# KiCad board Backplane_v2.kicad_pcb (continued)
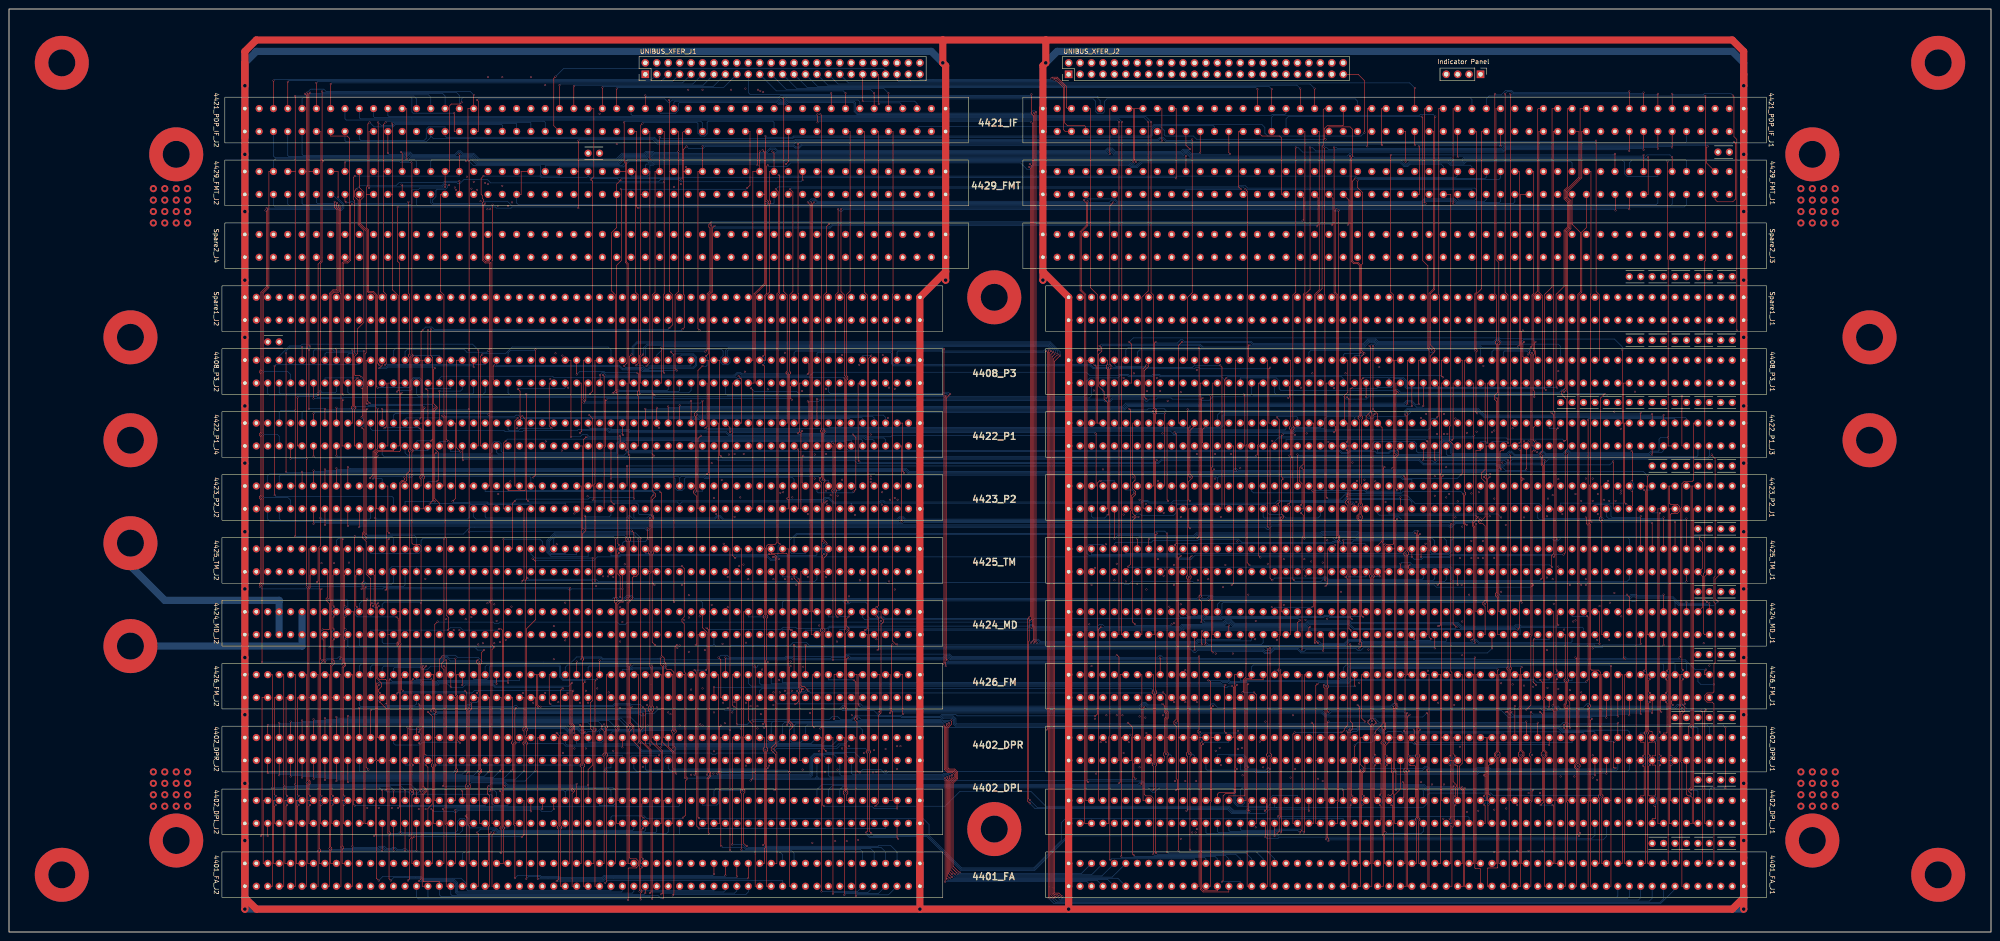
[diagram p0: board, top side]
## Routing (per net, layer and track width the routed paths; a pad name or vN(x,y) marks a point on that pad's centre or on a via; arc(x,y) is an arc through that point) (continued)
A1MBS01*: length 175.8
  F.SigTop w0.127: 4401_FA_J1.59 312.46,15.24 312.46,24.64 312.2,24.89 312.2,25.15 312.46,25.4 312.46,38.74 312.2,38.99 312.2,39.24 312.46,39.5 312.46,41.78 v2(312.2,42.04) 312.46,42.29 312.46,88.39 v2(312.2,88.65) ; 4425_TM_J1.107 v2(250.48,87.38)
  B.Sig.Top w0.127: v2(250.48,87.38) 250.86,87.76 263.05,87.76 263.69,88.39 291.25,88.39 291.5,88.65 299.38,88.65 299.63,88.39 311.95,88.39 v2(312.2,88.65) ; 4402_DPR_J1.31 347,42.04 v2(312.2,42.04)
A1MBS02*: length 169.6
  F.SigTop w0.127: v2(310.17,84.07) 310.17,57.02 309.92,56.77 309.92,44.96 v2(309.66,44.7) 309.92,44.45 309.92,36.32 309.66,36.07 309.66,35.56 309.92,35.31 309.92,15.24 4401_FA_J1.61
  B.Sig.Top w0.127: 4425_TM_J1.109 247.94,84.07 v2(310.17,84.07) ; 4402_DPR_J1.33 344.46,44.2 344.21,44.45 309.92,44.45 v2(309.66,44.7)
A1MBS03*: length 173.6
  F.SigTop w0.127: v2(341.92,41.53) 4402_DPR_J1.35 ; v2(305.34,86.23) 305.09,85.98 305.09,46.48 305.34,46.23 305.34,45.21 305.09,44.96 v2(305.09,42.04) 305.09,21.72 305.34,21.46 305.34,15.24 4401_FA_J1.63
  B.Sig.Top w0.127: 4425_TM_J1.111 245.4,86.23 245.65,86.49 253.53,86.49 254.04,87 263.94,87 264.2,87.25 272.96,87.25 273.72,86.49 293.66,86.49 293.91,86.74 295.56,86.74 295.82,86.49 298.11,86.49 298.49,86.87 304.71,86.87 v2(305.34,86.23) ; v2(305.09,42.04) 311.57,42.04 311.96,41.65 341.8,41.65 v2(341.92,41.53)
A1MBS04*: length 117.7
  F.SigTop w0.127: 262.16,43.18 262.16,78.36 262.42,78.61 262.42,78.99 262.16,79.25 262.16,83.18 v2(262.55,83.57) ; 262.16,43.18 262.16,40 262.42,39.75 262.42,39.24 262.16,38.99 v2(262.16,18.29) ; 262.16,43.18 4402_DPR_J1.97
  B.Sig.Top w0.127: v2(262.16,18.29) 262.42,18.03 279.18,18.03 280.96,16.26 4401_FA_J1.83 ; 4425_TM_J1.113 242.86,86.11 239.81,86.11 239.3,85.6 239.3,84.07 239.81,83.57 259.12,83.57 259.62,83.06 262.04,83.06 v2(262.55,83.57)
A1MBS05*: length 108.5
  F.SigTop w0.127: 259.62,43.18 259.62,83.06 v2(260.13,83.57) ; 259.62,43.18 v2(259.62,18.03) ; 259.62,43.18 4402_DPR_J1.99
  B.Sig.Top w0.127: v2(260.13,83.57) 259.88,83.82 240.32,83.82 4425_TM_J1.115 ; 4401_FA_J1.85 278.42,16.26 276.9,17.78 259.88,17.78 v2(259.62,18.03)
A1MBS06*: length 184.7
  F.SigTop w0.127: 257.08,43.18 4402_DPR_J1.101 ; 257.08,43.18 257.08,47.24 257.34,47.5 257.34,48.89 257.08,49.15 v2(257.08,88.52) ; 257.08,43.18 257.08,40 257.34,39.75 257.34,39.24 257.08,38.99 v2(257.08,17.78)
  B.Sig.Top w0.127: 4425_TM_J2.21 176.82,84.07 173.77,84.07 173.26,84.58 173.26,87 174.79,88.52 254.16,88.52 254.67,89.03 256.58,89.03 v2(257.08,88.52) ; 4401_FA_J1.87 275.88,16.26 274.61,17.53 257.34,17.53 v2(257.08,17.78)
A1MBS07*: length 176.2
  F.SigTop w0.127: v2(254.8,88.52) 254.54,88.26 254.54,53.72 254.8,53.47 254.8,53.09 254.54,52.83 254.54,43.18 ; 254.54,43.18 254.54,37.72 254.8,37.47 254.8,37.08 254.54,36.83 254.54,17.65 v2(254.67,17.53) ; 254.54,43.18 4402_DPR_J1.103
  B.Sig.Top w0.127: v2(254.67,17.53) 254.93,17.27 272.32,17.27 273.34,16.26 4401_FA_J1.89 ; 4425_TM_J2.23 174.28,87.63 174.92,88.26 254.54,88.26 v2(254.8,88.52)
A1MBS08*: length 156.9
  F.SigTop w0.127: v2(207.55,45.85) 207.68,45.72 207.68,36.07 208.32,35.43 209.46,35.43 209.84,35.05 209.84,34.42 208.82,33.4 208.82,13.34 v2(209.33,12.83) ; v2(173.52,45.72) 173.52,46.1 173.01,46.61 173.01,85.09 4425_TM_J2.25
  B.Sig.Top w0.127: v2(209.33,12.83) 209.97,12.19 244.89,12.19 4401_FA_J1.109 ; v2(173.52,45.72) 173.26,45.47 173.26,42.67 173.77,42.16 175.8,42.16 4402_DPR_J2.21 176.82,45.59 177.2,45.97 207.43,45.97 v2(207.55,45.85)
A1MBS09*: length 154
  F.SigTop w0.127: v2(208.19,46.23) 208.19,45.85 207.94,45.59 207.94,36.19 208.44,35.69 209.71,35.69 210.09,35.31 210.09,34.29 209.08,33.27 209.08,13.72 v2(209.97,12.83) ; 4425_TM_J2.27 169.2,84.07 172.63,84.07 172.76,83.95 v2(172.76,45.97)
  B.Sig.Top w0.127: v2(208.19,46.23) 207.94,46.48 207.55,46.48 207.3,46.23 174.66,46.23 174.28,45.85 ; 174.28,45.85 173.9,46.23 173.01,46.23 v2(172.76,45.97) ; 174.28,45.85 4402_DPR_J2.23 ; v2(209.97,12.83) 210.35,12.45 242.61,12.45 4401_FA_J1.111
A1MBS10*: length 158.5
  F.SigTop w0.127: v2(208.7,46.48) 208.7,45.97 208.19,45.47 208.19,36.32 208.57,35.94 209.84,35.94 210.35,35.43 210.35,34.16 209.33,33.15 209.33,14.22 v2(210.6,12.95) ; 4425_TM_J2.29 167.68,85.09 167.68,70.49 167.42,70.23 167.42,69.85 167.68,69.6 167.68,46.48 v2(167.42,46.23)
  B.Sig.Top w0.127: 4401_FA_J1.113 240.32,12.7 210.86,12.7 v2(210.6,12.95) ; v2(208.7,46.48) 208.44,46.74 207.43,46.74 207.17,46.48 172.12,46.48 171.74,46.1 4402_DPR_J2.25 170.72,42.16 168.69,42.16 168.18,42.67 168.18,45.97 167.93,46.23 v2(167.42,46.23)
A1MBS11*: length 154.4
  F.SigTop w0.127: v2(209.2,46.99) 209.2,46.1 208.44,45.34 208.44,36.45 208.7,36.19 209.97,36.19 210.6,35.56 210.6,34.04 209.59,33.02 209.59,14.61 210.98,13.21 v2(211.11,13.21) ; v2(165.14,46.74) 165.14,85.09 4425_TM_J2.31
  B.Sig.Top w0.127: 169.58,46.74 v2(165.14,46.74) ; 169.58,46.74 169.2,46.36 4402_DPR_J2.27 ; 169.58,46.74 207.05,46.74 207.3,46.99 v2(209.2,46.99) ; v2(211.11,13.21) 211.36,12.95 238.03,12.95 4401_FA_J1.115
A1MBS12*: length 115.6
  F.SigTop w0.127: 4425_TM_J2.33 162.6,85.09 v2(162.6,45.09) 162.6,31.75 162.34,31.5 162.34,30.99 162.6,30.73 v2(162.6,18.29)
  B.Sig.Top w0.127: 4401_FA_J2.23 174.28,17.53 173.77,18.03 162.85,18.03 v2(162.6,18.29) ; 4402_DPR_J2.57 131.1,44.58 131.48,44.96 140.37,44.96 140.75,45.34 162.34,45.34 v2(162.6,45.09)
A1MBS13*: length 116.7
  F.SigTop w0.127: v2(160.06,18.16) v2(160.06,44.83) 160.06,85.09 4425_TM_J2.35
  B.Sig.Top w0.127: v2(160.06,18.16) 160.44,17.78 171.11,17.78 171.74,17.14 4401_FA_J2.25 ; v2(160.06,44.83) 159.8,45.09 140.88,45.09 140.5,44.7 132.5,44.7 132.12,44.32 132.12,42.67 131.61,42.16 128.56,42.16 4402_DPR_J2.59
A1MBS14*: length 154.8
  F.SigTop w0.127: v2(168.69,84.01) 168.69,83.95 168.82,83.82 169.96,83.82 170.47,83.31 170.47,41.4 v2(169.71,40.64) 170.47,39.88 170.47,15.24 4401_FA_J2.27
  B.Sig.Top w0.127: v2(168.69,84.01) 168.5,83.82 135.67,83.82 135.42,83.57 133.64,83.57 4425_TM_J2.55 ; v2(169.71,40.64) 169.45,40.89 147.99,40.89 147.48,40.39 140.5,40.39 139.1,41.78 126.02,41.78 4402_DPR_J2.61
A1MBS15*: length 126.4
  F.SigTop w0.127: 4401_FA_J2.29 167.68,15.24 167.68,18.54 167.93,18.8 v2(167.93,40.39)
  F.Sig.In w0.127: v2(132.12,46.1) 132.37,46.36 132.37,52.83 132.62,53.09 132.62,78.61 v2(133,78.99) ; 4425_TM_J2.57 132.12,85.09 132.12,79.25 v2(131.86,78.99)
  B.Sig.In w0.127: 4402_DPR_J2.63 123.48,45.72 124.24,46.48 127.04,46.48 127.29,46.23 131.99,46.23 v2(132.12,46.1) ; v2(131.86,78.99) v2(133,78.99)
  B.Sig.Top w0.127: 4402_DPR_J2.63 123.48,41.91 123.86,41.53 138.97,41.53 140.37,40.13 147.61,40.13 148.12,40.64 167.8,40.64 167.93,40.51 v2(167.93,40.39)
A1MBS16*: length 180.2
  F.SigTop w0.127: 4402_DPR_J2.101 v2(75.22,48.01) ; v2(140.24,87.5) v2(140.24,45.47) 139.99,45.21 139.99,42.29 140.24,42.04 140.24,15.24 4401_FA_J2.49
  B.Sig.Top w0.127: 4425_TM_J2.59 128.56,83.44 120.31,83.44 119.42,84.33 119.42,87 121.07,88.65 139.1,88.65 v2(140.24,87.5) ; v2(75.22,48.01) 75.47,47.75 137.96,47.75 v2(140.24,45.47)
A1MBS17*: length 177.2
  F.SigTop w0.127: v2(139.74,87.25) 139.74,79.5 139.23,78.99 138.72,78.99 138.47,78.74 138.47,74.04 137.45,73.02 137.45,45.97 v2(137.96,45.47) 137.45,44.96 137.45,15.24 4401_FA_J2.51 ; 4402_DPR_J2.103 v2(72.68,47.75)
  B.Sig.Top w0.127: v2(139.74,87.25) 138.59,88.39 121.19,88.39 119.67,86.87 119.67,84.46 120.31,83.82 126.02,83.82 4425_TM_J2.61 ; v2(72.68,47.75) 72.93,47.5 135.93,47.5 v2(137.96,45.47)
A1MBS18*: length 171
  F.SigTop w0.127: 4401_FA_J2.53 137.2,15.24 v2(137.2,45.47) 137.2,73.15 137.7,73.66 137.7,73.79 137.45,74.04 v2(137.45,87.25) ; 4402_DPR_J2.105 v2(70.14,47.5)
  B.Sig.Top w0.127: 4425_TM_J2.63 123.48,84.07 120.43,84.07 119.92,84.58 119.92,86.74 121.32,88.14 136.56,88.14 v2(137.45,87.25) ; v2(137.2,45.47) 135.42,47.24 70.39,47.24 v2(70.14,47.5)
A1MBS19*: length 161.6
  F.SigTop w0.127: 4401_FA_J2.55 134.66,15.24 v2(134.66,45.47) 134.66,73.02 134.4,73.28 134.4,74.04 134.66,74.29 v2(134.66,87.38) ; 4402_DPR_J2.107 v2(67.6,47.24)
  B.Sig.Top w0.127: 4425_TM_J2.65 120.94,87.38 121.45,87.88 134.15,87.88 v2(134.66,87.38) ; v2(134.66,45.47) 133.13,46.99 67.85,46.99 v2(67.6,47.24)
A1MBS20*: length 117.3
  F.SigTop w0.127: 4401_FA_J2.75 109.76,15.24 109.76,22.73 110.02,22.99 110.02,23.24 109.76,23.5 109.76,32.13 v2(110.02,32.38) 109.76,32.64 v2(109.76,87.25)
  B.Sig.Top w0.127: 4425_TM_J2.67 118.4,86.74 117.89,87.25 v2(109.76,87.25) ; v2(110.02,32.38) 110.27,32.13 134.02,32.13 134.66,31.5 134.66,28.58 134.15,28.07 131.1,28.07 4402_DPL_J2.57
A1MBS21*: length 110.4
  F.SigTop w0.127: 4401_FA_J2.77 106.46,16 106.46,23.37 106.72,23.62 106.72,30.23 106.21,30.73 106.21,32.13 v2(106.46,32.38) ; v2(129.58,83.06) 129.58,51.43 129.07,50.93 129.07,45.21 129.58,44.7 129.58,37.08 128.56,36.07 v2(128.56,32.64) 4402_DPL_J2.59
  B.Sig.Top w0.127: v2(106.46,32.38) 106.97,32.89 110.14,32.89 110.65,32.38 128.31,32.38 v2(128.56,32.64) ; v2(129.58,83.06) 116.75,83.06 115.86,83.95 4425_TM_J2.69
A1MBS22*: length 127.9
  F.SigTop w0.127: v2(126.02,32.89) 4402_DPL_J2.61 ; v2(101.89,32.38) 101.89,23.88 102.14,23.62 102.14,15.24 4401_FA_J2.79 ; v2(96.56,87.38) 96.57,87.37 96.57,60.21 96.05,59.69 96.05,58.8 96.56,58.29 96.56,32.64 v2(96.3,32.38)
  B.Sig.Top w0.127: v2(96.3,32.38) v2(101.89,32.38) 102.65,33.15 110.27,33.15 110.78,32.64 125.77,32.64 v2(126.02,32.89) ; v2(96.56,87.38) 91.86,87.38 91.48,87 91.48,84.58 90.97,84.07 80.3,84.07 4425_TM_J2.97
A1MBS23*: length 145.5
  F.SigTop w0.127: v2(124.5,76.45) 124.5,46.1 125,45.59 125,45.21 124.75,44.96 124.75,31.75 125,31.5 v2(125,31.37) ; v2(78.27,76.2) 78.39,76.32 78.39,77.59 78.78,77.98 78.78,85.09 4425_TM_J2.99 ; v2(109.26,17.53) 109.26,22.73 109,22.99 109,23.24 109.26,23.5 109.26,31.12 v2(109,31.37)
  B.Sig.Top w0.127: v2(125,31.37) 124.88,31.5 123.86,31.5 123.48,31.12 ; v2(78.27,76.2) 82.97,76.2 83.22,76.45 v2(124.5,76.45) ; 4401_FA_J2.81 100.62,17.4 101,17.78 109,17.78 v2(109.26,17.53) ; v2(109,31.37) 109.13,31.5 123.1,31.5 123.48,31.12 ; 123.48,31.12 4402_DPL_J2.63
A1MBS24*: length 73.9
  F.SigTop w0.127: 4425_TM_J2.101 74.2,85.09 74.2,59.82 74.46,59.56 74.46,59.31 73.95,58.8 73.95,29.21 ; 73.95,29.21 73.95,19.18 74.2,18.92 74.2,18.54 73.95,18.29 73.95,15.24 4401_FA_J2.101 ; 73.95,29.21 4402_DPL_J2.101
A1MBS25*: length 81.1
  F.SigTop w0.127: v2(73.95,59.44) 73.95,87.12 v2(74.2,87.38) ; 71.41,29.21 71.41,18.92 71.66,18.67 71.66,18.29 71.41,18.03 71.41,15.24 4401_FA_J2.103 ; 71.41,29.21 v2(71.41,59.44) ; 71.41,29.21 4402_DPL_J2.103
  B.Sig.Top w0.127: 4425_TM_J2.103 72.68,87 73.06,87.38 v2(74.2,87.38) ; v2(71.41,59.44) v2(73.95,59.44)
A1MBS26*: length 73.9
  F.SigTop w0.127: 68.87,29.21 4402_DPL_J2.105 ; 68.87,29.21 68.87,85.09 4425_TM_J2.105 ; 68.87,29.21 68.87,18.54 69.12,18.29 69.12,17.91 68.87,17.65 68.87,15.24 4401_FA_J2.105
A1MBS27*: length 73.7
  F.SigTop w0.127: 4425_TM_J2.107 66.58,85.09 66.58,76.58 66.33,76.33 66.33,33.65 66.58,33.4 66.58,33.02 66.33,32.77 66.33,29.21 ; 4401_FA_J2.107 66.33,15.24 66.33,29.21 ; 4402_DPL_J2.107 66.33,29.21
A2EBS00*: length 47.4
  F.SigTop w0.127: 4402_DPL_J1.37 340.4,29.21 340.4,38.99 340.14,39.24 340.14,39.75 340.4,40 340.4,48.39 v2(339.89,48.89) ; 4426_FM_J1.20 v2(362.24,48.39)
  B.Sig.Top w0.127: v2(362.24,48.39) 361.99,48.64 340.14,48.64 v2(339.89,48.89)
A2EBS01*: length 47
  F.SigTop w0.127: 4402_DPL_J1.39 337.86,29.21 337.86,38.86 337.6,39.12 337.6,39.62 337.86,39.88 v2(337.86,48.89) ; v2(359.7,48.13) 4426_FM_J1.22
  B.Sig.Top w0.127: v2(359.7,48.13) 359.45,48.39 338.36,48.39 v2(337.86,48.89)
A2EBS02*: length 122.9
  F.SigTop w0.127: v2(333.28,106.04) 333.28,58.93 333.54,58.67 333.54,58.42 333.28,58.17 333.28,49.15 v2(333.54,48.89) 333.28,48.64 333.28,29.21 4402_DPL_J1.41 ; 4426_FM_J1.24 v2(357.16,47.88)
  B.Sig.Top w0.127: v2(357.16,47.88) 356.91,48.13 334.05,48.13 333.54,48.64 v2(333.54,48.89) ; v2(333.28,106.04) 333.03,105.79 319.44,105.79 319.06,106.17 4422_P1_J3.54
A2EBS03*: length 124.2
  F.SigTop w0.127: 4426_FM_J1.26 v2(354.62,47.62) ; 332.65,48.89 332.78,48.77 332.78,29.21 4402_DPL_J1.43 ; 332.65,48.89 332.78,49.02 332.78,58.17 332.52,58.42 332.52,58.67 332.78,58.93 v2(332.78,104.77) ; 332.65,48.89 v2(332.27,48.89) ; v2(316.52,104.77) 4422_P1_J3.56
  B.Sig.Top w0.127: v2(332.78,104.77) 332.52,105.03 316.77,105.03 v2(316.52,104.77) ; v2(332.27,48.89) 332.65,48.89 333.67,47.88 354.37,47.88 v2(354.62,47.62)
A2EBS04*: length 199.4
  F.SigTop w0.127: 4402_DPL_J1.105 251.75,29.21 251.75,49.66 v2(252,49.91) ; 4422_P1_J3.58 v2(313.98,104.77) ; v2(340.9,104.77) 340.9,52.07 4426_FM_J1.36 v2(341.92,49.91)
  B.Sig.Top w0.127: v2(340.9,104.77) 340.65,105.03 333.79,105.03 333.03,104.27 332.52,104.27 332.01,104.77 317.15,104.77 316.65,104.27 316.39,104.27 315.88,104.77 v2(313.98,104.77) ; v2(341.92,49.91) 341.67,50.16 335.44,50.16 334.94,49.66 252.26,49.66 v2(252,49.91)
A2EBS05*: length 199.8
  F.Sig.In w0.127: 340.4,52.07 340.4,40 340.14,39.75 340.14,39.24 340.4,38.99 340.4,31.37 v2(339.89,30.86) ; 340.4,52.07 340.4,77.98 340.65,78.23 340.65,104.39 340.27,104.77 340.27,105.41 339.25,106.43 v2(339.25,106.55) ; 340.4,52.07 4426_FM_J1.38
  B.Sig.In w0.127: 4422_P1_J3.60 311.44,106.93 311.82,106.55 333.92,106.55 334.17,106.3 339,106.3 v2(339.25,106.55) ; v2(339.89,30.86) 339.38,30.35 329.6,30.35 328.97,30.99 321.22,30.99 320.46,30.23 307.12,30.23 306.36,30.99 298.11,30.99 297.34,30.23 253.4,30.23 252.64,30.99 250.73,30.99 250.48,30.73 4402_DPL_J1.107
A2EBS06*: length 211.7
  F.Sig.In w0.127: v2(337.35,30.86) 337.35,32.77 337.86,33.27 337.86,38.86 337.6,39.12 337.6,39.62 337.86,39.88 337.86,48.26 337.35,48.77 337.35,51.56 4426_FM_J1.40 337.86,52.07 337.86,108.46 v2(337.35,108.97)
  B.Sig.In w0.127: 4402_DPL_J1.109 247.94,30.99 248.19,31.24 252.77,31.24 253.53,30.48 297.22,30.48 297.98,31.24 306.49,31.24 307.25,30.48 320.33,30.48 321.09,31.24 329.09,31.24 329.73,30.61 337.09,30.61 v2(337.35,30.86) ; 4422_P1_J3.62 308.14,107.95 307.12,106.93 305.85,106.93 305.34,107.44 305.34,109.22 305.98,109.86 315,109.86 315.12,109.73 320.58,109.73 320.84,109.47 336.84,109.47 v2(337.35,108.97)
A2EBS07*: length 206.1
  F.Sig.In w0.127: 335.32,52.07 4426_FM_J1.42 ; 335.32,52.07 335.32,66.93 335.57,67.18 335.57,72.52 335.32,72.77 335.32,106.3 335.82,106.81 335.82,108.46 v2(336.33,108.97) ; 335.32,52.07 335.32,40 335.06,39.75 335.06,39.12 335.32,38.86 335.32,28.58 334.94,28.19 v2(334.81,28.19)
  B.Sig.In w0.127: v2(334.81,28.19) 334.55,27.94 329.35,27.94 328.84,27.43 327.19,27.43 326.68,27.94 322.74,27.94 322.49,27.69 297.6,27.69 297.09,28.19 245.53,28.19 245.4,28.32 4402_DPL_J1.111 ; v2(336.33,108.97) 336.2,109.09 320.84,109.09 320.46,108.71 320.08,108.71 319.69,109.09 315.38,109.09 314.87,109.6 306.74,109.6 306.36,109.22 4422_P1_J3.64
A2EBS08*: length 289.9
  F.Sig.In w0.127: v2(317.03,110.62) 317.54,110.11 317.54,101.09 317.79,100.84 317.79,51.43 v2(317.28,50.93) 317.79,50.42 317.79,30.35 318.04,30.1 318.04,25.53 v2(318.43,25.15)
  B.Sig.In w0.127: v2(317.28,50.93) 321.6,50.93 4426_FM_J1.52 ; v2(318.43,25.15) 317.54,26.03 288.45,26.03 288.07,26.42 281.6,26.42 281.21,26.03 274.99,26.03 274.86,26.16 261.15,26.16 260.89,26.42 230.16,26.42 226.35,30.23 211.62,30.23 207.81,26.42 168.18,26.42 166.66,27.94 4402_DPL_J2.29 ; 4422_P1_J3.85 278.42,111.76 278.67,111.51 294.42,111.51 295.06,110.87 316.77,110.87 v2(317.03,110.62)
A2EBS09*: length 303.8
  F.Sig.In w0.127: v2(318.55,115.06) 317.79,114.3 317.79,101.22 318.04,100.97 318.04,52.07 ; 318.04,52.07 4426_FM_J1.54 ; 318.04,52.07 318.04,33.27 v2(318.55,32.77)
  B.Sig.In w0.127: 4422_P1_J3.87 275.88,111.76 270.17,111.76 269.53,112.39 269.53,114.81 270.55,115.82 301.41,115.82 302.17,116.59 302.93,116.59 303.44,116.08 317.54,116.08 v2(318.55,115.06) ; 4402_DPL_J2.31 164.12,31.12 164.5,31.5 168.95,31.5 169.71,30.73 185.2,30.73 185.46,30.48 185.96,30.48 186.98,31.5 252.89,31.5 253.65,30.73 297.09,30.73 297.85,31.5 306.61,31.5 307.38,30.73 316.52,30.73 v2(318.55,32.77)
A2EBS10*: length 295.2
  F.Sig.In w0.127: v2(315.88,32.77) 315.5,33.15 315.5,52.07 ; 315.5,52.07 315.5,64.64 315.25,64.9 315.25,114.43 v2(314.62,115.06) ; 315.5,52.07 4426_FM_J1.56
  B.Sig.In w0.127: v2(315.88,32.77) 314.11,30.99 307.5,30.99 306.74,31.75 297.6,31.75 296.83,30.99 253.78,30.99 253.02,31.75 185.71,31.75 185.07,31.11 169.72,31.11 169.07,31.75 161.96,31.75 161.58,31.37 4402_DPL_J2.33 ; v2(314.62,115.06) 313.85,115.82 303.31,115.82 303.06,115.57 270.67,115.57 269.78,114.68 269.78,112.52 270.29,112.01 273.34,112.01 4422_P1_J3.89
A2EBS11*: length 286.1
  F.Sig.In w0.127: 312.96,52.07 312.96,45.85 313.73,45.09 313.73,44.83 312.96,44.07 312.96,39.5 313.22,39.24 313.22,38.99 312.96,38.74 312.96,33.78 v2(313.47,33.27) ; 312.96,52.07 312.96,87.38 313.73,88.14 313.73,88.65 312.96,89.41 312.96,113.66 v2(313.47,114.17) ; 312.96,52.07 4426_FM_J1.58
  B.Sig.In w0.127: 4402_DPL_J2.35 159.04,31.5 159.55,32 312.2,32 v2(313.47,33.27) ; v2(313.47,114.17) 313.35,114.05 300.39,114.05 300.14,113.79 299.76,113.79 299.5,114.05 282.36,114.05 281.6,114.81 271.05,114.81 270.8,114.55 4422_P1_J3.91
A2MBS00*: length 178.2
  F.SigTop w0.127: 4401_FA_J1.65 302.8,15.24 302.8,45.85 v2(303.44,46.48) 303.44,46.74 302.8,47.37 302.8,78.61 303.06,78.87 303.06,79.25 302.8,79.5 302.8,114.68 v2(303.19,115.06) ; v2(339.38,46.48) 4402_DPR_J1.37
  B.Sig.Top w0.127: v2(339.38,46.48) 339.13,46.23 303.69,46.23 v2(303.44,46.48) ; v2(303.19,115.06) 302.55,115.06 302.3,115.32 268.77,115.32 268.26,114.81 4422_P1_J3.93
A2MBS01*: length 180.9
  F.SigTop w0.127: 4401_FA_J1.67 302.3,15.24 302.3,45.85 301.66,46.48 v2(301.66,46.74) 302.3,47.37 302.3,78.61 302.04,78.87 302.04,79.25 302.3,79.5 302.3,114.3 v2(302.04,114.55) ; v2(336.84,46.74) 4402_DPR_J1.39
  B.Sig.Top w0.127: v2(302.04,114.55) 302.04,114.81 301.79,115.06 269.66,115.06 269.28,114.68 269.28,112.52 268.77,112.01 265.72,112.01 4422_P1_J3.95 ; v2(301.66,46.74) 302.3,47.37 303.31,47.37 304.2,46.48 336.59,46.48 v2(336.84,46.74)
A2MBS02*: length 79.1
  F.SigTop w0.127: v2(334.3,50.16) 4402_DPR_J1.41 ; v2(299.38,50.42) 299.76,50.04 299.76,15.24 4401_FA_J1.69
  B.Sig.Top w0.127: v2(299.38,50.42) 299.63,50.16 306.7,50.16 307.33,50.8 307.63,50.8 308.52,49.91 334.05,49.91 v2(334.3,50.16)
A2MBS03*: length 67.3
  F.SigTop w0.127: 4401_FA_J1.71 297.22,15.24 297.22,44.32 v2(296.96,44.58)
  B.Sig.Top w0.127: 4402_DPR_J1.43 331.76,44.2 309.41,44.2 309.03,44.58 306.11,44.58 305.73,44.2 304.58,44.2 303.82,44.96 299.63,44.96 299.25,44.58 298.36,44.58 298.11,44.32 297.22,44.32 v2(296.96,44.58)
A2MBS04*: length 46.6
  F.SigTop w0.127: v2(254.04,17.27) 254.04,29.72 253.53,30.23 252.38,30.23 252,30.61 252,43.18 4402_DPR_J1.105
  B.Sig.Top w0.127: v2(254.04,17.27) 254.29,17.02 270.04,17.02 270.8,16.26 4401_FA_J1.91
A2MBS05*: length 47.2
  F.SigTop w0.127: v2(249.72,17.02) 249.46,17.27 249.46,43.18 4402_DPR_J1.107
  B.Sig.Top w0.127: v2(249.72,17.02) 249.97,16.76 267.75,16.76 268.26,16.26 4401_FA_J1.93
A2MBS06*: length 47.5
  F.SigTop w0.127: 4402_DPR_J1.109 246.92,43.18 v2(246.92,16.76)
  B.Sig.Top w0.127: 4401_FA_J1.95 265.72,16.26 265.47,16.51 247.18,16.51 v2(246.92,16.76)
A2MBS07*: length 48
  F.SigTop w0.127: 4402_DPR_J1.111 244.38,43.18 244.38,16.13 v2(244.51,16)
  B.Sig.Top w0.127: 4401_FA_J1.97 263.18,16.26 244.76,16.26 v2(244.51,16)
A2MBS08*: length 58.2
  F.SigTop w0.127: 4402_DPR_J2.29 167.68,43.18 167.68,41.02 167.42,40.77 167.42,40.26 167.68,40 167.68,19.56 v2(167.42,19.3)
  B.Sig.Top w0.127: v2(167.42,19.3) 167.68,19.05 192.95,19.05 193.08,19.18 195.74,19.18 197.14,17.78 4401_FA_J2.5
A2MBS09*: length 59.5
  F.SigTop w0.127: 4402_DPR_J2.31 163.1,43.18 163.1,31.75 163.36,31.5 163.36,30.99 163.1,30.73 163.1,19.68 163.74,19.05 v2(163.87,19.05)
  B.Sig.Top w0.127: 4401_FA_J2.7 194.6,17.78 193.58,18.8 164.12,18.8 v2(163.87,19.05)
A2MBS10*: length 59.5
  F.SigTop w0.127: v2(160.56,19.43) 160.56,43.18 4402_DPR_J2.33
  B.Sig.Top w0.127: v2(160.56,19.43) 162.85,19.43 163.74,18.54 191.3,18.54 192.06,17.78 4401_FA_J2.9
A2MBS11*: length 59.6
  F.SigTop w0.127: v2(158.15,19.05) 158.02,19.18 158.02,43.18 4402_DPR_J2.35
  B.Sig.Top w0.127: 4401_FA_J2.11 189.52,17.78 189.01,18.29 163.61,18.29 163.1,18.8 158.4,18.8 v2(158.15,19.05)
A2MBS12*: length 79.4
  F.SigTop w0.127: 4402_DPR_J2.65 121.96,43.18 121.96,23.62 121.7,23.37 121.7,23.11 121.96,22.86 121.96,11.68 v2(121.57,11.3) ; v2(164.12,11.94) 4401_FA_J2.31
  B.Sig.Top w0.127: v2(121.57,11.3) 131.99,11.3 132.5,11.81 163.99,11.81 v2(164.12,11.94)
A2MBS13*: length 79.9
  F.SigTop w0.127: v2(117.38,11.81) 117.38,43.18 4402_DPR_J2.67 ; 4401_FA_J2.33 v2(161.58,12.32)
  B.Sig.Top w0.127: v2(161.58,12.32) 161.33,12.06 132.37,12.06 131.86,11.56 122.08,11.56 121.83,11.81 v2(117.38,11.81)
A2MBS14*: length 80.2
  F.SigTop w0.127: v2(159.04,12.57) 4401_FA_J2.35 ; 4402_DPR_J2.69 114.84,43.18 114.84,42.29 115.1,42.04 115.1,41.78 114.84,41.53 v2(114.84,11.81)
  B.Sig.Top w0.127: v2(114.84,11.81) 115.35,12.32 117.76,12.32 118.02,12.06 121.96,12.06 122.21,11.81 131.74,11.81 132.24,12.32 158.79,12.32 v2(159.04,12.57)
A2MBS15*: length 80
  F.SigTop w0.127: v2(112.3,11.94) 112.3,23.62 112.05,23.88 v2(112.05,42.04) ; 4401_FA_J2.37 v2(156.5,12.83)
  B.Sig.Top w0.127: v2(112.05,42.04) 113.32,42.04 4402_DPR_J2.71 ; v2(156.5,12.83) 156.25,12.57 132.12,12.57 131.61,12.06 122.34,12.06 122.08,12.32 118.15,12.32 117.89,12.57 112.94,12.57 v2(112.3,11.94)
A2MBS16*: length 102.9
  F.SigTop w0.127: v2(131.61,45.72) 131.61,45.09 132.12,44.58 132.12,39.75 131.86,39.5 131.86,39.12 132.12,38.86 132.12,15.24 4401_FA_J2.57 ; v2(65.06,46.99) 4402_DPR_J2.109
  B.Sig.Top w0.127: v2(131.61,45.72) 131.61,45.97 130.85,46.74 65.31,46.74 v2(65.06,46.99)
A2MBS17*: length 102.7
  F.SigTop w0.127: 4401_FA_J2.59 129.83,15.24 129.83,45.21 v2(129.58,45.47) ; 4402_DPR_J2.111 v2(62.52,46.74)
  B.Sig.Top w0.127: v2(62.52,46.74) 62.77,46.48 128.56,46.48 v2(129.58,45.47)
A2MBS18*: length 102.4
  F.SigTop w0.127: v2(59.98,46.48) 4402_DPR_J2.113 ; 4401_FA_J2.61 127.04,15.24 127.04,36.58 126.78,36.83 126.78,37.21 127.04,37.47 127.04,45.72 v2(126.78,45.97)
  B.Sig.Top w0.127: v2(126.78,45.97) 126.53,46.23 60.23,46.23 v2(59.98,46.48)
A2MBS19*: length 101.3
  F.SigTop w0.127: 4402_DPR_J2.115 v2(57.44,45.97) ; v2(124.5,45.47) 124.5,15.24 4401_FA_J2.63
  B.Sig.Top w0.127: v2(124.5,45.47) 123.99,45.97 v2(57.44,45.97)
A2MBS20*: length 37.1
  F.SigTop w0.127: v2(99.1,27.05) 99.1,15.24 4401_FA_J2.83 ; v2(120.94,27.3) 4402_DPL_J2.65
  B.Sig.Top w0.127: v2(120.94,27.3) 120.43,26.8 118.27,26.8 117.76,27.3 99.35,27.3 v2(99.1,27.05)
A2MBS21*: length 37.4
  F.SigTop w0.127: v2(96.3,27.3) 96.56,27.05 96.56,15.24 4401_FA_J2.85 ; v2(118.4,27.3) 4402_DPL_J2.67
  B.Sig.Top w0.127: v2(118.4,27.3) 118.15,27.56 96.56,27.56 v2(96.3,27.3)
A2MBS22*: length 38.3
  F.SigTop w0.127: v2(115.86,26.8) 4402_DPL_J2.69 ; 4401_FA_J2.87 94.02,15.24 94.02,27.05 v2(93.76,27.3)
  B.Sig.Top w0.127: v2(93.76,27.3) 94.27,26.8 98.71,26.8 98.97,26.54 99.22,26.54 99.73,27.05 115.61,27.05 v2(115.86,26.8)
A2MBS23*: length 40.5
  F.SigTop w0.127: v2(113.83,21.08) 114.34,21.59 114.34,29.21 4402_DPL_J2.71 ; 4401_FA_J2.89 89.44,15.24 89.44,20.7 v2(89.95,21.21)
  B.Sig.Top w0.127: v2(113.83,21.08) 113.7,21.21 v2(89.95,21.21)
A2MBS24*: length 16.5
  F.SigTop w0.127: 4402_DPL_J2.109 63.79,29.21 63.79,15.24 4401_FA_J2.109
A2MBS25*: length 16.5
  F.SigTop w0.127: 4401_FA_J2.111 61.25,15.24 61.25,29.21 4402_DPL_J2.111
A2MBS26*: length 16.5
  F.SigTop w0.127: 4402_DPL_J2.113 58.71,29.21 58.71,15.24 4401_FA_J2.113
A2MBS27*: length 16
  F.SigTop w0.127: 4401_FA_J2.115 56.42,15.24 56.42,29.21 4402_DPL_J2.115
ABORT*: length 353.6
  F.SigTop w0.127: 4408_P3_J1.50 325.16,121.92 v2(325.16,110.24) 325.16,91.44 324.9,91.19 324.9,90.17 325.16,89.92 325.16,65.28 v2(324.65,64.77) ; v2(187.49,97.79) 188,98.3 188,109.86 v2(187.36,110.49)
  B.Sig.Top w0.127: v2(325.16,110.24) 324.9,109.98 282.1,109.98 281.85,110.24 196,110.24 195.74,109.98 190.54,109.98 190.28,110.24 187.62,110.24 v2(187.36,110.49) 187.11,110.24 159.8,110.24 159.17,110.87 137.7,110.87 137.45,111.12 133.39,111.12 132.88,111.63 126.4,111.63 126.15,111.38 114.21,111.38 113.95,111.12 110.14,111.12 109.89,111.38 80.68,111.38 80.3,111.76 4422_P1_J4.97 ; v2(324.65,64.77) 324.9,65.02 325.66,65.02 326.43,64.26 346.75,64.26 347,64.52 4424_MD_J1.32 ; v2(187.49,97.79) 187.23,97.54 179.61,97.54 179.36,97.79 4423_P2_J2.19
B0CLK: length 86.6
  F.SigTop w0.127: v2(377.1,174.5) 376.85,174.24 376.85,170.81 4429_FMT_J1.5 ; 4429_FMT_J1.48 313.09,163.83 313.09,174.37 v2(312.96,174.5) ; 4421_PDP_IF_J1.36 v2(331.12,174.5)
  B.Sig.Top w0.127: 330.87,174.75 v2(331.12,174.5) 331.38,174.75 ; 330.87,174.75 331.38,174.75 ; 330.87,174.75 313.22,174.75 v2(312.96,174.5) ; v2(377.1,174.5) 376.85,174.75 331.38,174.75
B2CLK: length 234.4
  F.SigTop w0.127: v2(314.49,161.8) 314.23,162.05 314.23,182.88 4421_PDP_IF_J1.45 ; 4429_FMT_J2.62 113.7,163.83 113.7,168.91 4429_FMT_J2.59
  B.Sig.Top w0.127: v2(314.49,161.8) 314.23,161.54 113.07,161.54 112.69,161.93 4429_FMT_J2.62
